# KiCad board reform2-motherboard.kicad_pcb (continued)
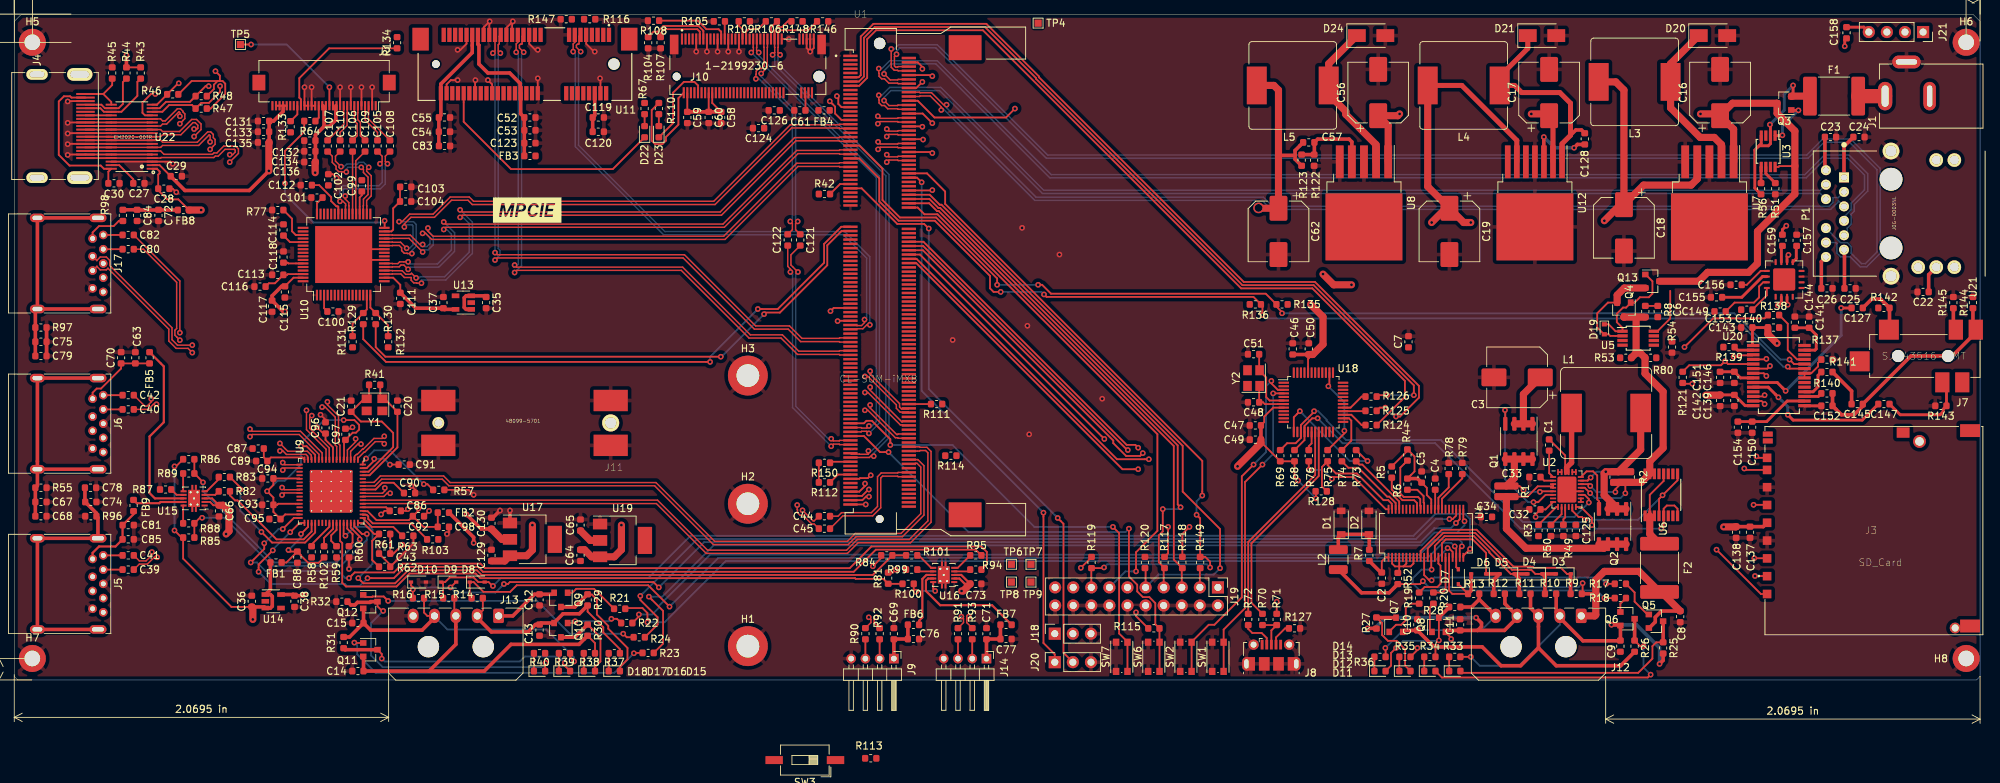
[diagram p0: board, top side]
## Routing (per net, layer and track width the routed paths; a pad name or vN(x,y) marks a point on that pad's centre or on a via; arc(x,y) is an arc through that point) (continued)
USB2_TX_P: length 124.2
  Top w0.2: C82.1 23.25,56.04 v1(23.25,48.78) ; v1(120.17,41.12) 120.17,40.7 124.59,36.28 124.7,36.28 124.78,36.35 U1.164
  Signal.Cu w0.2: v1(120.17,41.12) 119.75,41.12 112.39,48.47 23.55,48.47 v1(23.25,48.78)
USB3_1_DN: length 55.7
  Top w0.2: U9.2 47.78,30.96 47.78,31.41 48.04,31.68 48.15,31.68 48.9,32.43 49.01,32.43 50.5,33.92 51.65,33.92 v1(51.95,34.22)
  Signal.Cu w0.2: J6.2 11.6,36.4 11.6,36.43 12.07,36.9 12.93,36.9 13.61,36.22 13.81,36.22 20.41,42.83 46.09,42.83 50.72,38.19 50.72,35.04 51.54,34.22 v1(51.95,34.22)
USB3_1_DP: length 55.1
  Top w0.2: U9.1 48.22,30.96 48.22,31.12 49.09,31.98 49.19,31.98 50.69,33.47 51.65,33.47 v1(51.95,33.17)
  Signal.Cu w0.2: J6.3 11.6,35.6 11.6,35.57 12.07,35.1 12.93,35.1 13.61,35.78 13.99,35.78 20.59,42.38 45.91,42.38 50.28,38.01 50.28,34.85 v1(51.95,33.17)
USB3_1_EN: length 19.6
  Top w0.25: R83.1 31.75,27.04 v1(31.75,26.75) ; v1(34.7,20.8) 36.2,19.3 40.84,19.3 42.25,20.71 U9.36
  Bottom w0.25: v1(31.75,26.75) 31.75,23.75 v1(34.7,20.8)
USB3_1_OVERCURn: length 35.6
  Top w0.25: R86.1 25.29,28.71 ; U9.46 47.25,21.39 48.5,20.14 v1(48.5,19.75) ; R89.2 26.5,27.79 v1(26.5,27.75)
  Bottom w0.25: v1(26.5,27.75) 26.5,26.5 36.5,16.5 45.25,16.5 v1(48.5,19.75)
USB3_1_SSRXN: length 42.8
  Top w0.2: v1(43.23,38.33) 43.65,38.33 45.07,36.91 45.07,32.99 45.28,32.79 45.28,30.96 U9.7
  Signal.Cu w0.2: J6.5 13.27,32.78 28.49,32.78 32.59,36.88 36.09,36.88 38.39,39.17 42.81,39.17 43.23,38.75 v1(43.23,38.33)
USB3_1_SSRXP: length 43.5
  Top w0.2: v1(43.97,39.07) 43.97,38.65 45.52,37.09 45.52,33.18 45.72,32.98 45.72,30.96 U9.6
  Signal.Cu w0.2: J6.6 13.27,33.22 28.31,33.22 32.41,37.33 35.91,37.33 38.21,39.62 42.99,39.62 43.55,39.07 v1(43.97,39.07)
USB3_1_SSTXN: length 41.2
  Top w0.2: U9.4 46.78,30.96 46.78,32.29 47.93,33.45 v1(47.93,33.87) ; v1(19.97,38.73) 19.55,38.73 18.82,38 C40.1
  Signal.Cu w0.2: v1(47.93,33.87) 48.22,34.16 48.22,37.16 44.51,40.88 21.69,40.88 19.97,39.15 v1(19.97,38.73)
USB3_1_SSTXP: length 42.9
  Top w0.2: C42.1 18.34,38.45 18.63,38.45 19.23,39.05 v1(19.23,39.47) ; v1(48.67,33.13) 48.25,33.13 47.22,32.11 47.22,30.96 U9.3
  Signal.Cu w0.2: v1(19.23,39.47) 19.65,39.47 21.51,41.33 44.69,41.33 48.67,37.35 v1(48.67,33.13)
USB3_1_VBUS: length 26.5
  Top w0.3: FB5.1 21,44.04 21,36.2 19,34.2 19,26.25 19.75,25.5 U15.8
USB3_2_DN: length 51.5
  Top w0.2: U9.10 43.78,30.96 43.78,32.41 41.03,35.15 v1(41.03,37.87)
  Signal.Cu w0.2: v1(41.03,37.87) 41.03,37.45 39.81,36.22 36.91,36.22 27.08,26.39 27.08,22.39 18.41,13.72 13.61,13.72 12.93,14.4 12.07,14.4 11.6,13.93 11.6,13.9 J5.2
USB3_2_DP: length 51.2
  Top w0.2: v1(41.77,37.13) 41.48,36.84 41.48,35.34 44.22,32.59 44.22,30.96 U9.9
  Signal.Cu w0.2: J5.3 11.6,13.1 11.6,13.07 12.07,12.6 12.93,12.6 13.61,13.28 18.59,13.28 27.53,22.21 27.53,26.21 37.09,35.78 39.99,35.78 41.35,37.13 v1(41.77,37.13)
USB3_2_EN: length 16.3
  Top w0.25: U9.35 41.75,20.85 40.65,19.75 36.82,19.75 31.36,25.21 31,25.21 30.29,25.92 R82.2
USB3_2_OVERCURn: length 34.3
  Top w0.25: v1(49.5,20.5) 48.83,20.5 47.75,21.58 U9.47 ; v1(26.38,22.78) 26.07,22.78 R88.2 R85.1
  Bottom w0.25: v1(49.5,20.5) 49.5,19.68 45.87,16.05 36.2,16.05 29.47,22.78 v1(26.38,22.78)
USB3_2_SSRXN: length 41.6
  Top w0.2: U9.15 41.18,30.94 41.18,31.46 40.96,31.68 38.21,31.68 37.71,32.17 v1(37.3,32.17)
  Signal.Cu w0.2: v1(37.3,32.17) 37,32.47 35.69,32.47 28.72,25.51 28.72,21.51 17.49,10.28 13.27,10.28 J5.5
USB3_2_SSRXP: length 42.5
  Top w0.2: U9.14 41.7,30.99 41.7,31.57 41.15,32.13 38.4,32.13 v1(37.3,33.22)
  Signal.Cu w0.2: J5.6 13.27,10.72 17.31,10.72 28.28,21.69 28.28,25.69 35.51,32.92 37,32.92 v1(37.3,33.22)
USB3_2_SSTXN: length 40.5
  Top w0.2: v1(20.07,17.23) 19.65,17.23 18.69,16.28 17.56,16.28 C39.1 ; v1(33.1,34.17) 33.4,34.47 40.01,34.47 42.78,31.71 42.78,30.96 U9.12
  Signal.Cu w0.2: v1(33.1,34.17) 32.8,34.47 32.69,34.47 26.89,28.67 23.89,28.67 21.12,25.91 21.12,18.71 20.07,17.65 v1(20.07,17.23)
USB3_2_SSTXP: length 41.2
  Top w0.2: v1(19.33,17.97) 19.33,17.55 18.51,16.72 17.56,16.72 C41.1 ; v1(33.1,35.22) 33.4,34.92 40.19,34.92 43.22,31.89 43.22,30.96 U9.11
  Signal.Cu w0.2: v1(19.33,17.97) 19.75,17.97 20.67,18.89 20.67,26.09 23.71,29.12 26.71,29.12 32.51,34.92 32.8,34.92 v1(33.1,35.22)
USB3_2_VBUS: length 7.3
  Top w0.3: U15.9 20.54,25 20.36,24.83 17.21,24.83 FB9.1
USB3_3_DN: length 109.9
  Top w0.2: U9.18 40.04,29.78 38,29.78 v1(37.7,29.47) ; v1(121.03,8.8) 120.72,8.5 120.72,8.06 R92.1
  Signal.Cu w0.2: v1(121.03,8.8) 120.72,9.1 120.72,9.59 113.39,16.92 35.19,16.92 32.62,19.49 32.62,24.81 37.29,29.47 v1(37.7,29.47)
USB3_3_DP: length 110.9
  Top w0.2: R90.1 120.28,8.06 120.28,8.5 v1(119.97,8.8) ; v1(37.7,30.53) 38,30.22 40.04,30.22 U9.17
  Signal.Cu w0.2: v1(119.97,8.8) 120.28,9.1 120.28,9.41 113.21,16.47 35.01,16.47 32.17,19.31 32.17,25 v1(37.7,30.53)
USB3_3_EN: length 115.3
  Top w0.25: v1(34.31,15.2) 34.31,16.21 v1(36.3,18.2) ; U9.33 40.06,22.06 v1(38.75,20.75) ; R95.1 134.99,18.3 120.97,18.3 117.87,15.2 65.8,15.2 65.11,15.89 54.89,15.89 53.3,14.3 v1(49.6,14.3)
  Bottom w0.25: v1(49.6,14.3) 48.5,13.2 46.73,13.2 46.45,13.47 36.03,13.47 v1(34.31,15.2) ; v1(38.75,20.75) 36.3,18.3 v1(36.3,18.2)
USB3_3_OVERCURn: length 93.4
  Top w0.25: v1(48.3,14.3) 49.03,13.57 53.47,13.57 55.3,15.4 64.96,15.4 65.61,14.75 120.54,14.75 R84.1 R101.2 ; U9.44 46.25,20.5 v1(46.5,20.25)
  Bottom w0.25: v1(48.3,14.3) 50.3,16.3 50.3,21.1 49.9,21.5 47.75,21.5 v1(46.5,20.25)
USB3_3_VBUS: length 8.4
  Top w0.3: U16.8 128.07,14.75 127.5,14.18 127.5,8.79 127.04,8.33 FB6.1
USB3_4_DN: length 113.7
  Top w0.2: v1(134.03,8.9) 133.72,8.6 133.72,8.06 R93.1 ; U9.25 40.04,26.28 37.9,26.28 v1(37.6,25.97)
  Signal.Cu w0.2: v1(37.6,25.97) 37.19,25.97 35.22,24.01 35.22,22.59 38.09,19.72 39.29,19.72 40.89,18.12 114.49,18.12 122.09,10.53 132.4,10.53 v1(134.03,8.9)
USB3_4_DP: length 114.5
  Top w0.2: U9.24 40.04,26.72 37.9,26.72 v1(37.6,27.03) ; v1(132.97,8.9) 133.28,8.6 133.28,8.06 R91.1
  Signal.Cu w0.2: v1(37.6,27.03) 34.78,24.2 34.78,22.41 37.91,19.28 39.11,19.28 40.71,17.67 114.31,17.67 121.91,10.08 132.21,10.08 132.97,9.31 v1(132.97,8.9)
USB3_4_EN: length 119.7
  Top w0.25: U9.32 39.25,22.75 v1(37.7,21.2) ; v1(47,14.3) 47.8,15.1 53.3,15.1 54.54,16.34 65.46,16.34 66.1,15.7 117.3,15.7 120.35,18.75 135.78,18.75 136.55,17.98 136.55,16.26 R94.2 ; v1(35.1,19.2) 35.1,18.4 v1(33.2,16.5)
  Bottom w0.25: v1(37.7,21.2) 37.1,21.2 v1(35.1,19.2) ; v1(47,14.3) 46.5,14.3 45.5,15.3 35.28,15.3 34.08,16.5 v1(33.2,16.5)
USB3_4_OVERCURn: length 88.8
  Top w0.25: R100.2 122.71,13.5 R81.1 122.01,14.2 118.14,14.2 118.04,14.3 65.43,14.3 64.78,14.95 55.49,14.95 53.66,13.12 46.58,13.12 46.05,13.65 46.05,19.23 45.75,19.53 U9.43
USB3_4_VBUS: length 16.6
  Top w0.3: FB7.1 137.29,10.5 130,10.5 128,12.5 128,13.95 128.3,14.25 U16.9
USB_PWR: length 398.3
  Top w0.25: R61.2 C43.1 53.25,17.75 v1(54.5,19) ; U22.1 20.03,71.8 20.41,71.42 20.41,71.16 20.21,70.97 C28.2 20.21,68.77 21.48,67.5 23.04,67.5 FB8.1 ; R43.1 R44.1 ; U15.2 27.5,25 27.96,24.54 C66.1 27.79,25.5 U15.3
  Top w0.3: U16.3 132.96,14.75 C73.1 133.45,13.5 132.7,14.25 U16.2
  Top w0.4: U21.9 250.2,59.19 250.2,60.91 C157.1 ; U21.14 245.45,56.65 242.55,53.75 C155.1
  Top w0.5: v1(15.75,87.75) R44.1
  Top w1: C18.1 225.5,66.75 v1(223.25,64.5) ; C18.1 228.75,69.5 235.44,69.5 236.3,70.36 U7.4 ; C18.1 226,82.85 224.85,84 L3.2 ; v1(29.75,20.5) 30.15,20.9 30.15,23.71 29.33,24.54 C66.1 ; v1(26.25,66) FB8.1 ; v1(183.75,57) 185.25,55.5 v1(187.75,55.5) ; v1(133,12.5) 133.21,12.5 C73.1
  Power.Cu w0.5: v1(26.25,66) 19.5,66 15.75,69.75 v1(15.75,87.75)
  Power.Cu w1: 138.94,19.56 143.97,24.6 145.43,24.6 177.83,57 v1(183.75,57) ; 138.94,19.56 133,13.63 v1(133,12.5) ; 138.94,19.56 138.37,19 94,19 87.5,25.5 68,25.5 61.5,19 v1(54.5,19) 53.93,19 52.68,17.75 44.5,17.75 40.85,14.1 31.15,14.1 29.75,15.5 v1(29.75,20.5) 29.75,63.75 27.5,66 v1(26.25,66) ; v1(187.75,55.5) 214.25,55.5 v1(223.25,64.5)
Net-(C1-Pad1): length 3.9
  Top w0.25: U2.1 215.5,29.05 C1.1
Net-(C1-Pad2): length 14.6
  Top w0.25: U2.25 U2.26 217.75,31.54 C1.2
  Top w0.75: 217.95,29.2 217.95,29.83 218.65,30.53 L1.1
Net-(C2-Pad1): length 5.2
  Top w0.25: C2.1 192,16.65 192.57,17.22 U4.1
  Top w0.5: C2.1 191.88,15.09 R7.2
Net-(C4-Pad1): length 2.8
  Top w0.25: U4.31 199.5,24.03 C4.1
Net-(C6-Pad1): length 1.8
  Top w0.25: R8.2 C6.1
Net-(C20-Pad1): length 16.4
  Top w0.25: U9.61 49.89,28.75 53.8,32.66 C20.1 51.97,39.49 Y1.1 51.39,39.79 R41.1
Net-(C21-Pad1): length 19.9
  Top w0.25: U9.62 49.75,29.25 53.2,32.7 53.2,34.7 51.6,36.3 48.66,36.3 C21.1 49.13,39.49 Y1.2 49.81,39.82 R41.2
Net-(C23-Pad1): length 4.7
  Top w0.5: C23.1 254.21,71.74 P1.7
Net-(C24-Pad1): length 6.2
  Top w0.5: C24.1 256.9,74.94 P1.1
Net-(C25-Pad1): length 5.5
  Top w0.5: P1.6 256.96,60.36 C25.1
Net-(C26-Pad1): length 4.7
  Top w0.5: C26.1 253.71,58.76 P1.12
Net-(C27-Pad2): length 4.5
  Top w0.25: C27.2 16.71,70.33 14.74,72.3 U22.37
Net-(C30-Pad1): length 22
  Top w0.25: C30.1 13.21,71.39 U22.38 12.59,71.8 12.14,72.25 7.75,72.25 6.25,73.75 6.25,81.25 6.98,81.98 7.85,81.98 8.02,81.8 J4.18
Net-(C32-Pad1): length 13.7
  Top w0.25: v1(213.6,22.9) 213.6,23.26 C32.1 215,23.95 U2.8 ; v1(221.07,24.92) 221.07,25.4 220.48,26 U2.17
  Bottom w0.25: v1(213.6,22.9) 219.05,22.9 v1(221.07,24.92)
Net-(C33-Pad1): length 2
  Top w0.25: U2.2 214.79,28 C33.1
Net-(C34-Pad1): length 32.2
  Top w0.25: U2.27 U2.28 ; U2.3 U2.4 215.85,27.2 213.9,27.2 212.45,25.75 R1.2
  Top w1: R1.2 209.5,21.25 212.25,18.5 223.19,18.5 Q2.6 ; Q2.5 Q2.6 ; Q2.6 Q2.8
Net-(C39-Pad2): length 2.7
  Top w0.25: C39.2 J5.8
Net-(C40-Pad2): length 2.7
  Top w0.25: C40.2 J6.8
Net-(C41-Pad2): length 2.7
  Top w0.25: C41.2 J5.9
Net-(C42-Pad2): length 2.7
  Top w0.25: C42.2 J6.9
Net-(C48-Pad1): length 5.9
  Top w0.25: Y2.1 174.79,41.24 C48.1 175.32,39 175.57,38.75 U18.7
Net-(C51-Pad1): length 9.1
  Top w0.25: U18.6 176.25,39.25 175.78,39.72 175.78,42.47 174.85,43.4 Y2.2 174.79,43.56 C51.1
Net-(C57-Pad2): length 11.9
  Top w0.5: R123.2 R122.1 182.54,73.83 C57.2 183,75.96 187.41,75.96 187.8,75.58 U8.4
Net-(C63-Pad1): length 11
  Top w0.25: J6.1 11,40.35 11.58,40.93 12.18,40.93 15,43.74 C70.1 C63.1 FB5.2
Net-(C67-Pad1): length 36.5
  Top w0.5: J6.10 3.25,27.29 R55.1 C68.1 ; J6.10 J6.10 J6.10 ; J6.10 J6.10
Net-(C69-Pad1): length 6.7
  Top w0.5: J9.1 C69.1 123.54,5.75 C76.1 FB6.2
Net-(C71-Pad1): length 6.7
  Top w0.5: J14.1 C71.1 136.54,5.75 C77.1 FB7.2
Net-(C72-Pad1): length 7.7
  Top w0.5: FB8.2 20.29,66 C72.1 ; R98.1 C84.1 17.29,66 20.21,66
Net-(C74-Pad1): length 37.7
  Top w0.5: J5.10 J5.10 J5.10 J5.10 11.75,22.79 R96.1 11.54,23.42 C74.1 9.92,25.04 C78.1
Net-(C75-Pad1): length 36.5
  Top w0.5: J17.10 J17.10 ; J17.10 J17.10 J17.10 ; J17.10 2.96,51.81 R97.1 C75.1 C79.1
Net-(C80-Pad2): length 2.7
  Top w0.25: C80.2 J17.8
Net-(C81-Pad1): length 10.4
  Top w0.3: J5.1 11,17.85 11.9,18.75 14.21,18.75 C85.1 C81.1 16.75,23.29 FB9.2
Net-(C82-Pad2): length 2.7
  Top w0.25: C82.2 J17.9
Net-(C86-Pad1): length 32.9
  Top w0.25: U9.52 52.21,24.25 C86.1 52,23.75 v1(51.5,23.25) ; C91.1 v1(52.75,30.25) ; U9.63 49.47,29.75 50.54,30.81 v1(50.54,31.06) ; U9.34 41.25,21.5 v1(40.25,20.5) ; FB1.2 38.21,16.5 C88.1 ; C88.1 40.21,17.58 40.21,17.51 41.27,16.45 42.74,16.45 R102.1 ; C88.1 38.71,18.04 v1(38.5,18.25) ; C87.1 35.04,31.25 C89.1 36.04,31.25 40.44,31.25 U9.16
  Bottom w0.25: v1(50.54,31.06) 51.94,31.06 v1(52.75,30.25) ; v1(38.5,18.25) 40.25,20 v1(40.25,20.5)
Net-(C90-Pad1): length 73.1
  Top w0.25: FB2.2 C98.1 57.46,21.5 C92.1 ; U9.57 50.73,26.75 51.68,27.7 53.27,27.7 C90.1 ; U9.31 38.04,23.25 C95.1 36.39,23.6 C93.1 ; C93.1 36.92,24.6 37.08,24.75 U9.28 ; C93.1 36.39,25.61 v1(35.5,26.5) 36.39,27.39 C94.1 40.01,28.3 U9.21 ; v1(56.75,24.08) 56.75,23.79 C92.1 ; U9.8 44.75,32.67 43.7,33.72 C96.1 43.39,34.61 v1(42.5,35.5) ; C97.1 47.52,34.73 47.98,34.73 48.42,35.17 48.42,35.83 47.75,36.5 v1(46.25,36.5) ; C92.1 55.41,22.45 50.86,22.45 49.61,23.7 48.99,23.7 U9.51 ; 46.3,33.61 46.3,30.99 U9.5 ; U9.13 42.25,31.63 41.05,32.83 v1(40.25,32.83)
  Bottom w0.25: v1(35.5,26.5) 36.97,27.97 37.97,27.97 40.25,30.25 v1(40.25,32.83) 40.25,33.25 v1(42.5,35.5) 43.5,36.5 v1(46.25,36.5)
Net-(C123-Pad1): length 39
  Top w0.5: U11.41 64.3,88.11 59.9,83.71 U11.52 59.9,79.29 C55.1 C54.1 59.61,75.01 C83.1 ; U11.39 65.1,89.29 65.24,89.15 65.24,86.51 66.5,85.25 69.56,85.25 71.05,83.76 71.05,82.45 U11.24 71.1,79.51 C52.1 C53.1 C123.1 FB3.2
Net-(C124-Pad1): length 31.7
  Top w0.25: J10.70 111.09,82.39 C61.1 ; R110.1 89.5,80.04 89.5,75.73 89.98,75.25 91,75.25 91.5,75.75 91.5,76.25 93.25,78 93.25,81.72 J10.2 ; J10.18 98,81.04 C58.1 ; J10.16 C60.1 ; C59.1 J10.4
  Top w0.5: C58.1 C60.1 C59.1
Net-(C127-Pad1): length 7.9
  Top w0.25: 263.29,49.29 J7.2
  Top w0.5: 263.29,49.29 R142.1 262.04,53.5 260.79,53.5 C127.1
Net-(C127-Pad2): length 21.4
  Top w0.4: U20.9 247.52,41.78 v1(248.7,40.6) ; v1(256.5,52.25) C127.2
  Bottom w0.4: v1(248.7,40.6) 256.5,48.4 v1(256.5,52.25)
Net-(C128-Pad1): length 30.8
  Top w0.5: 218.5,76.5 219.25,77.25 220.04,77.25 C128.1
  Top w0.7: D21.1 212.5,88.7 208.55,84.75 L4.1 210.65,83.5 211.65,82.5 217,82.5 218.5,81 218.5,76.5 217.31,75.31 U12.1
Net-(C128-Pad2): length 10
  Top w0.5: C128.2 219.46,75.21 v1(219,74.75) ; v1(214.75,76.25) 214.75,72.8 U12.3
  Bottom w0.5: v1(214.75,76.25) 216.25,74.75 v1(219,74.75)
Net-(C141-Pad2): length 7.1
  Top w0.4: C144.2 C141.2 253,48.46 253,46.5 252.82,46.33 U20.27
Net-(C145-Pad1): length 30.9
  Top w0.5: R140.2 C152.1 256.54,37.25 258.32,37.25 259.54,38.47 C145.1 266.29,45.5 272.1,45.5 275.4,48.8 J7.1 275,49.6 R144.1
Net-(C145-Pad2): length 5.6
  Top w0.5: C145.2 257.96,40.58 R141.2
Net-(C147-Pad1): length 12.9
  Top w0.4: J7.3 271.29,41.21 R143.1 270.83,38.04 270.83,37.68 270.39,37.25 264.79,37.25 C147.1
Net-(C147-Pad2): length 21.1
  Top w0.4: C147.2 259.46,36.5 249.75,36.5 v1(249,37.25) ; U20.10 246.26,41.12 v1(247.69,39.69)
  Bottom w0.4: v1(247.69,39.69) 249,38.39 v1(249,37.25)
Net-(C149-Pad1): length 8
  Top w0.25: 240.54,52 241.54,53 244.25,53 244.98,53.72 244.98,55.28 245.55,55.85 U21.15
Net-(C149-Pad2): length 1.8
  Top w0.25: v1(245.75,38.75) 245.32,39.17 U20.13
Net-(C150-Pad1): length 10.5
  Top w0.4: C154.1 C150.1 246.04,36.29 248.93,39.17 U20.16
Net-(C153-Pad1): length 3.9
  Top w0.25: U21.16 246.06,54.03 C153.1
Net-(C153-Pad2): length 1.7
  Top w0.25: U20.12 245.57,39.83 v1(245.75,40)
Net-(C156-Pad1): length 4.3
  Top w0.25: U21.13 245.2,57.45 243.25,55.5 C156.1
Net-(C158-Pad1): length 3.4
  Top w0.4: C158.1 259.69,91.69 J21.4
Net-(C158-Pad2): length 43.3
  Top w0.4: C158.2 257,89.86 v1(257,89) ; U21.2 248.1,53.1 v1(247.6,52.6)
  Signal.Cu w0.4: v1(257,89) 257,86.75 254.5,84.25 254.5,79.6 247.2,72.3 247.2,53 v1(247.6,52.6)
Net-(C159-Pad1): length 36.7
  Top w0.4: v1(248.8,63.8) 248.25,63.25 C159.1
  Signal.Cu w0.4: v1(248.8,63.8) 248.8,72.2 255.7,79.1 255.7,83.05 261.95,89.3 263.76,89.3 J21.2
Net-(C159-Pad2): length 2.3
  Top w0.4: U21.11 248.1,60.81 C159.2
Net-(D1-Pad1): length 8.4
  Top w0.5: L2.2 185.9,20.05 D1.1 D2.1 190.25,20.4 R7.1
Net-(D3-Pad1): length 28.6
  Top w0.25: U4.10 197.45,18.11 200.44,21.1 205.31,21.1 210.48,15.93 212.87,15.93 212.9,15.9 213.2,15.9 213.35,15.75 217.15,15.75 218,14.9 D3.1
  Top w0.5: R9.2 218.51,14.86 D3.1
Net-(D3-Pad2): length 25.5
  Top w0.25: U4.12 198.45,18.47 200.63,20.65 205.12,20.65 210.3,15.48 212.69,15.48 212.71,15.45 213.01,15.45 213.56,14.9 D4.1
  Top w0.5: D3.2 D4.1 214.91,14.54 R10.2
Net-(D4-Pad2): length 20.5
  Top w0.25: D5.1 210.1,14.9 207.1,17.9 207.1,18.04 204.94,20.2 200.81,20.2 199.45,18.84 U4.14
  Top w0.5: D4.2 D5.1 211.31,14.24 R11.2
Net-(D5-Pad2): length 17.2
  Top w0.25: D6.1 206.65,17.85 204.75,19.75 201,19.75 200.45,19.2 U4.16
  Top w0.5: D6.1 D5.2 207.71,14.06 R12.2
Net-(D6-Pad2): length 12.4
  Top w0.25: U4.18 201.45,12.55 201.9,12.1 R13.2 202.76,13.45 D7.1
  Top w0.5: D6.2 204.55,12.54 R13.2
Net-(D7-Pad2): length 150.2
  Top w0.25: v1(202.24,18.76) 202.45,18.56 U4.20 202.45,15.85 D7.2 ; R14.2 63.95,11.76 D8.1 64.5,13.75 65.88,12.37 69.62,12.37 70.55,13.3 89,13.3 v1(92,10.3)
  Bottom w0.25: v1(202.24,18.76) 201.76,19.25 200.55,19.25 198.45,17.15 98.85,17.15 v1(92,10.3)
Net-(D8-Pad2): length 157.8
  Top w0.25: U4.22 203.45,17.45 v1(204.4,18.4) ; R15.2 60.21,13.49 D9.1 60.5,13.75 61.15,14.4 64.5,14.4 65.15,13.75 D8.2 66.6,13.75 67.15,13.2 v1(67.2,13.2)
  Bottom w0.25: v1(204.4,18.4) 204.4,22.58 203.66,23.33 199.53,23.33 196.45,20.25 94.95,20.25 89.05,14.35 68.35,14.35 v1(67.2,13.2)
Net-(D10-Pad1): length 157.2
  Top w0.25: U4.24 202.95,22.58 v1(202.42,22.05) ; R16.2 v1(55.96,12.71) 55.96,13.01 55.7,13.28 D10.1 ; D9.2 62,13.75 v1(61.25,13) ; v1(90.5,13) 89.75,13.75 69.59,13.75 69.31,13.47 v1(68.75,13.47)
  Bottom w0.25: v1(55.96,12.71) 56.25,13 v1(61.25,13) 61.98,12.27 67.55,12.27 v1(68.75,13.47) ; v1(90.5,13) 96.85,19.35 197.41,19.35 199.36,21.3 201.67,21.3 v1(202.42,22.05)
Net-(D11-Pad1): length 2
  Top w0.25: D11.1 R33.2
Net-(D11-Pad2): length 34.3
  Top w0.25: R25.2 230.54,5.29 230,4.75 230,3 228,1 203.29,1 D11.2
  Top w0.5: Q5.3 R25.2
Net-(D12-Pad1): length 2
  Top w0.25: R34.2 D12.1
Net-(D12-Pad2): length 39.8
  Top w0.25: R26.2 228.29,4.75 v1(228.75,4.75) ; D12.2 200.44,0.35 229.35,0.35 v1(229.75,0.75)
  Top w0.5: Q6.3 R26.2
  Bottom w0.25: v1(228.75,4.75) 228.75,1.75 v1(229.75,0.75)
Net-(D13-Pad1): length 2
  Top w0.25: R35.2 D13.1
Net-(D13-Pad2): length 13
  Top w0.25: R27.2 192.05,7.99 192.05,6.31 192.86,5.5 194.07,5.5 195.27,4.3 195.27,2.01 D13.2
  Top w0.5: R27.2 191.29,8.75 Q7.3
Net-(D14-Pad1): length 2
  Top w0.25: R36.2 D14.1
Net-(D14-Pad2): length 15.6
  Top w0.25: Q8.3 200.02,8.73 v1(200.02,5.56) ; v1(194,4.5) 193.3,3.8 193.3,2.01 D14.2
  Top w0.5: R28.2 201.46,10.21 Q8.3
  Bottom w0.25: v1(200.02,5.56) 199.96,5.5 195,5.5 v1(194,4.5)
Net-(D15-Pad1): length 2.5
  Top w0.25: R37.2 D15.1
Net-(D15-Pad2): length 18.4
  Top w0.25: D15.2 85.04,1.82 86.1,2.89 86.1,4.5 83.4,7.2 83.4,7.6 81.8,9.2 81.8,11.3 81.1,12 80.54,12 R29.2
  Top w0.5: Q9.3 78.71,10.25 R29.2
Net-(D16-Pad1): length 2.5
  Top w0.25: R38.2 D16.1
Net-(D16-Pad2): length 12.1
  Top w0.25: R30.2 82.3,5.99 82.3,2.59 81.54,1.82 D16.2
  Top w0.5: Q10.3 78.71,6 R30.2
Net-(D17-Pad1): length 2.5
  Top w0.25: D17.1 R39.2
Net-(D17-Pad2): length 34.3
  Top w0.25: v1(51.6,3) 51.6,3.65 Q11.3 ; v1(77.3,2.4) 77.3,1.99 D17.2
  Top w0.5: Q11.3 46.46,4.25 R31.2
  Bottom w0.25: v1(51.6,3) 52,2.6 71,2.6 71.7,3.3 76.4,3.3 v1(77.3,2.4)
Net-(D18-Pad1): length 2.5
  Top w0.25: D18.1 R40.2
Net-(D18-Pad2): length 39.9
  Top w0.25: v1(74.6,2.4) 74.54,2.34 D18.2 ; v1(51.8,9.7) 51.65,9.7 51,10.35 Q12.3
  Top w0.5: Q12.3 50.05,11 49.95,10.9 48.19,10.9 47.83,10.54 47.25,10.54 R32.2
  Bottom w0.25: v1(51.8,9.7) 50.1,8 50.1,3.43 51.73,1.8 74,1.8 v1(74.6,2.4)
Net-(D19-Pad1): length 15.1
  Top w0.25: Q13.1 229.05,56.95 230,56 230,54.25 229.5,53.75 228.25,53.75 227.5,53 Q4.1 ; D19.1 223.85,49.95 224.82,48.97 U5.1 225.8,49.45 225,50.25 225,51.44 225.86,52.3 226.3,52.3 226.95,52.95 Q4.1 ; Q4.1 226.95,53.05
Net-(D19-Pad2): length 14.9
  Top w0.25: 225.05,53.05 Q4.2 223.75,53 222.25,51.5 222.25,49.5 223.2,48.55 D19.2 223.85,48.55 224.07,48.33 U5.2
  Top w1: Q4.2 225.05,54.05 226.05,55.05 Q13.2
Net-(D20-Pad1): length 23.5
  Top w1: U7.2 239.7,75.19 238.69,76.2 236.7,76.2 232.55,80.35 L3.1 232.55,86.55 D20.1
Net-(D22-Pad1): length 34
  Top w0.25: U11.44 63.1,78.4 69.75,71.75 84.04,71.75 D22.1
Net-(D22-Pad2): length 1.7
  Top w0.25: R67.2 D22.2
Net-(D23-Pad1): length 12.5
  Top w0.25: J10.10 96,83.5 95.5,84 94.01,84 92.5,82.49 92.5,78.21 D23.1
Net-(D23-Pad2): length 1.7
  Top w0.25: R110.2 D23.2
Net-(D24-Pad1): length 22.1
  Top w1: U8.2 191.2,75.19 186.95,79.44 186.95,79.85 184.55,82.25 L5.1 184.55,86.55 D24.1
Net-(F2-Pad2): length 12.5
  Top w0.25: U6.12 231.57,27.95 229.62,26 U6.2 ; U6.3 U6.1
  Top w1: F2.2 229.62,20.51 U6.2
Net-(J4-Pad13): length 3.6
  Top w0.25: U22.23 J4.13
Net-(J4-Pad15): length 11
  Top w0.25: J4.15 12.09,80.3 12.59,79.8 U22.22 15.05,79.8 17.29,82.04 17.29,84 R43.2
Net-(J4-Pad16): length 9.5
  Top w0.25: J4.16 12.23,80.8 12.73,80.3 U22.21 14.65,80.3 15.25,80.9 15.25,83.96 R44.2
Net-(J4-Pad19): length 7.1
  Top w0.25: 12.5,82.3 13.62,81.18 U22.20 ; 12.5,82.3 J4.19 ; 12.5,82.3 13.75,83.55 R45.1
Net-(J7-Pad4): length 3.2
  Top w0.25: 272.25,49.55 J7.4
  Top w0.5: R145.1 272.25,49.55
Net-(J8-Pad2): length 4.6
  Top w0.25: R72.1 173.25,7.17 173.82,6.6 175.14,6.6 175.85,5.89 J8.2
Net-(J8-Pad3): length 5.1
  Top w0.25: R70.1 R71.2 176.5,6.96 J8.3
Net-(J8-Pad4): length 3.4
  Top w0.25: R127.2 178.43,7.25 177.15,5.97 J8.4
Net-(J9-Pad2): length 2.7
  Top w0.25: J9.2 R92.2
Net-(J9-Pad3): length 2.7
  Top w0.25: R90.2 J9.3
Net-(J10-Pad11): length 7.4
  Top w0.25: R107.1 90.75,90.83 91.32,91.4 95.9,91.4 96.25,91.05 J10.11
Net-(J10-Pad13): length 9.8
  Top w0.25: R104.1 89.76,91.05 90.34,91.05 91.14,91.85 96.09,91.85 96.75,91.19 J10.13
Net-(J10-Pad23): length 10.4
  Top w0.25: R108.1 95.97,92.6 97.17,91.4 98.89,91.4 99.23,91.06 99.24,91.06 99.25,91.05 J10.23
Net-(J10-Pad25): length 2.5
  Top w0.25: R105.1 99.75,92.46 J10.25
Net-(J10-Pad35): length 2.7
  Top w0.25: J10.35 102.25,91.39 101.71,91.92 R109.1
Net-(J10-Pad37): length 4.4
  Top w0.25: R106.1 104.41,91.4 103.1,91.4 102.73,91.03 102.73,90.05 J10.37
Net-(J14-Pad2): length 2.7
  Top w0.25: R93.2 J14.2
Net-(J14-Pad3): length 2.7
  Top w0.25: R91.2 J14.3
Net-(J17-Pad1): length 5.8
  Top w0.25: J17.1 11,62.85 11.9,63.75 13.96,63.75 14.67,64.46 R98.2
Net-(J19-Pad3): length 2.7
  Top w0.25: R149.1 166.46,15.67 J19.3
Net-(J21-Pad1): length 43
  Top w0.4: U21.10 248.9,59.5 v1(249.1,59.7)
  Signal.Cu w0.4: J21.1 268,89.75 266.85,88.6 262.1,88.6 256.3,82.8 256.3,78.8 251.8,74.3 251.8,62.4 v1(249.1,59.7)
Net-(J21-Pad3): length 46.4
  Top w0.4: U21.3 248.9,52.8 v1(249,52.7)
  Signal.Cu w0.4: J21.3 262.07,90.15 261.75,90.15 255.1,83.5 255.1,79.35 247.8,72.05 247.8,53.9 v1(249,52.7)
Net-(L1-Pad2): length 24
  Top w0.25: U2.21 220.9,28 v1(221.32,28.43)
  Top w1: 225.15,24.03 223.23,25.95 223.23,29.02 v1(223.45,29.25) 225.25,29.25 228.35,32.35 L1.2 ; 225.15,24.03 Q2.3 ; 225.15,24.03 Q2.1
  Bottom w0.25: v1(223.45,29.25) 222.15,29.25 v1(221.32,28.43)
Net-(Q1-Pad4): length 20.2
  Top w0.25: U2.6 215,26 213.97,24.97 v1(213.3,24.97) ; v1(209.3,37.9) 209.34,37.86 Q1.4
  Bottom w0.25: v1(209.3,37.9) 209.3,28.2 212.53,24.97 v1(213.3,24.97)
Net-(Q1-Pad5): length 15
  Top w0.25: R1.1 211.32,27.25 v1(211.9,26.67) ; v1(214.2,26.43) 214.27,26.5 U2.5
  Top w1: Q1.5 Q1.8 ; Q1.6 210.62,28.36 R1.1
  Bottom w0.25: v1(214.2,26.43) 212.15,26.43 v1(211.9,26.67)
Net-(Q2-Pad4): length 7.7
  Top w0.25: U2.22 220.75,29.3 221.67,29.3 222.25,28.72 222.25,25.34 222.5,25.1 Q2.4
Net-(Q3-Pad1): length 6.5
  Top w0.4: v1(250.5,80) 249.55,80 Q3.1 ; v1(248.25,76.5) 248.2,76.45 U3.1
  Bottom w0.4: v1(250.5,80) 248.25,77.75 v1(248.25,76.5)
Net-(Q5-Pad1): length 5.7
  Top w0.25: R17.1 227.5,12.29 227.5,11 229.3,9.2 Q5.1
Net-(Q6-Pad1): length 2.3
  Top w0.25: R18.1 225.5,10.71 Q6.1
Net-(Q7-Pad1): length 6.9
  Top w0.25: Q7.1 193.05,6.8 194,7.75 194.73,7.75 195.37,8.38 195.37,10.12 195.96,10.71 R19.1
Net-(Q8-Pad1): length 4.3
  Top w0.25: R20.1 198.75,10.21 198.75,7.05 Q8.1
Net-(Q9-Pad1): length 7.9
  Top w0.25: R21.1 81.41,12.8 78.9,12.8 78.35,12.25 Q9.1
Net-(Q10-Pad1): length 8
  Top w0.25: v1(78.75,8.25) 78.5,8 Q10.1 ; v1(83.84,8.59) 84.62,8.59 R22.1
  Bottom w0.25: v1(83.84,8.59) 83.5,8.25 v1(78.75,8.25)
Net-(Q11-Pad1): length 45.4
  Top w0.25: R23.1 87.05,3.8 v1(87,3.75) ; Q11.1 47.8,5.2 v1(47.75,5.25)
  Bottom w0.25: v1(87,3.75) 84.25,1 50.75,1 48.15,3.6 48.15,4.85 v1(47.75,5.25)
Net-(Q12-Pad1): length 40.5
  Top w0.25: R24.1 86,6 v1(85.5,6.5) ; v1(52.5,11.1) 51.87,11.73 50.29,11.73 50.22,11.66 49.29,11.66 Q12.1
  Bottom w0.25: v1(52.5,11.1) 73.4,11.1 78,6.5 v1(85.5,6.5)
Net-(R3-Pad1): length 3.1
  Top w0.25: R50.1 217.25,23.29 U2.10
Net-(R3-Pad2): length 3.8
  Top w0.25: R3.2 216.51,24.3 U2.9
Net-(R4-Pad2): length 9.6
  Top w0.25: U4.35 197.45,24.45 197.4,24.5 197.4,25.4 197.1,25.7 195.08,25.7 194.6,26.18 194.6,29.81 R4.2
Net-(R5-Pad2): length 6.9
  Top w0.25: R5.2 193.4,26.75 194.9,25.25 196.55,25.25 196.95,24.85 U4.36
Net-(R6-Pad2): length 4.5
  Top w0.25: U4.34 197.95,24.85 197.87,24.93 197.87,25.83 196.99,26.71 R6.2
Net-(R17-Pad2): length 30.1
  Top w0.25: U4.11 197.95,14.73 198.68,14 v1(199,14) ; R17.2 v1(223.5,13.5)
  Bottom w0.25: v1(223.5,13.5) 222.6,14.4 199.4,14.4 v1(199,14)
Net-(R18-Pad2): length 34.8
  Top w0.25: v1(199,15.5) 198.95,15.55 U4.13 ; R18.2 v1(223.25,11.5)
  Bottom w0.25: v1(223.25,11.5) 222.18,12.57 197.35,12.57 196.35,13.58 196.35,14.27 197.58,15.5 v1(199,15.5)
Net-(R19-Pad2): length 7.4
  Top w0.25: R19.2 198.01,13.05 199.8,13.05 200.25,13.5 200.25,16.05 199.95,16.35 U4.15
Net-(R20-Pad2): length 6.4
  Top w0.25: R20.2 200.5,12.29 200.95,12.74 U4.17
Net-(R21-Pad2): length 123.1
  Top w0.25: U4.19 201.95,17.98 201.41,18.52 v1(201.24,18.52) ; v1(88.9,8.1) 88.9,9.4 88.2,10.1 85.89,10.1 R21.2
  Bottom w0.25: v1(88.9,8.1) 91.3,8.1 99.9,16.7 199.42,16.7 v1(201.24,18.52)
Net-(R22-Pad2): length 124
  Top w0.25: U4.21 202.95,18.48 v1(203.24,18.77) ; R22.2 87.7,8.91 v1(87.7,9.2)
  Bottom w0.25: v1(203.24,18.77) 203.24,19.33 202.88,19.7 199.4,19.7 197.3,17.6 97.7,17.6 90.53,10.43 90.53,10.15 89.57,9.2 v1(87.7,9.2)
Net-(R23-Pad2): length 130.3
  Top w0.25: v1(203.62,22.29) 203.45,22.46 U4.23 ; v1(89.1,11.7) 91.1,9.7 91.1,5.11 R23.2
  Bottom w0.25: v1(89.1,11.7) 90.99,11.7 98.19,18.9 197.6,18.9 199.4,20.7 202.59,20.7 203.62,21.73 v1(203.62,22.29)
Net-(R24-Pad2): length 127.7
  Top w0.25: v1(201.5,22.6) 201.95,22.6 202.45,23.1 U4.25 ; v1(87.9,11.8) 87.9,11.23 90.33,8.81 90.33,7.79 R24.2
  Bottom w0.25: v1(87.9,11.8) 95.9,19.8 196.8,19.8 199.6,22.6 v1(201.5,22.6)
Net-(R49-Pad1): length 2.6
  Top w0.25: R49.1 217.5,22.58 217.75,22.83 U2.11
Net-(R51-Pad2): length 2.8
  Top w0.4: R51.2 245.93,71.11 U3.6
Net-(R52-Pad1): length 8.8
  Top w0.25: R52.1 194.45,15.24 194.45,15.95 ; U4.6 195.45,16.35 195.05,15.95 ; 195.05,15.95 196.05,15.95 196.45,16.35 U4.8 ; 195.05,15.95 194.45,15.95 ; 194.45,15.95 193.85,15.95 193.45,16.35 U4.2 ; 194.45,15.95 U4.4
Net-(R56-Pad1): length 2.3
  Top w0.4: U3.5 245.25,72.03 R56.1
Net-(R57-Pad1): length 13.2
  Top w0.25: R57.1 58.01,27.5 v1(57.5,27.5) ; U9.64 48.94,30.64 v1(49.4,31.1)
  Bottom w0.25: v1(49.4,31.1) 50.55,32.25 52.75,32.25 v1(57.5,27.5)
Net-(R58-Pad1): length 4.3
  Top w0.25: R58.1 41.75,19.03 44.25,21.53 U9.40
Net-(R59-Pad1): length 3.9
  Top w0.25: U9.42 45.25,21.07 44.5,20.32 44.5,19.54 R59.1
Net-(R60-Pad1): length 3.8
  Top w0.25: U9.45 46.75,21.25 47.5,20.5 47.5,19.29 R60.1
Net-(R61-Pad1): length 9
  Top w0.25: R62.1 50.25,16.86 50.25,19.54 R61.1 50.55,20.5 48.99,22.06 U9.48
Net-(R63-Pad1): length 6.6
  Top w0.25: R63.1 53.21,21.5 50.19,21.5 U9.49
Net-(R64-Pad2): length 28.2
  Top w0.25: R64.2 40.71,76.99 38,74.28 v1(38,69.75) ; v1(52,64.5) 52,63.55 U10.32
  Bottom w0.25: v1(52,64.5) 51.75,64.25 42,64.25 38,68.25 v1(38,69.75)
Net-(R70-Pad2): length 30.1
  Top w0.25: R70.2 173.7,10.84 173.7,19.2 183.15,28.65 U18.20
Net-(R72-Pad2): length 29.4
  Top w0.25: U18.19 182.65,28.79 173.25,19.39 R72.2
Net-(R77-Pad2): length 5.3
  Top w0.25: R77.2 39,64.79 39,63.02 39.52,62.5 U10.51
Net-(R78-Pad1): length 5.5
  Top w0.25: R78.1 201.4,27.04 199.95,25.59 U4.30
Net-(R79-Pad1): length 6.1
  Top w0.25: R79.1 203.3,28.3 200.45,25.45 U4.29
Net-(R82-Pad1): length 2.2
  Top w0.25: U15.4 28.21,26 R82.1
Net-(R83-Pad2): length 3
  Top w0.25: R83.2 28.71,28.2 27.01,26.5 U15.5
Net-(R87-Pad1): length 2
  Top w0.25: U15.7 22.79,26 R87.1
Net-(R88-Pad1): length 2.5
  Top w0.25: R88.1 23.71,24.44 U15.10
Net-(R89-Pad1): length 2.5
  Top w0.25: R89.1 23.71,26.56 U15.6
Net-(R94-Pad1): length 2.3
  Top w0.25: U16.4 133.96,15.25 R94.1
Net-(R95-Pad2): length 3
  Top w0.25: U16.5 132.46,15.75 R95.2
Net-(R99-Pad1): length 2.3
  Top w0.25: U16.7 127.04,15.25 R99.1
Net-(R100-Pad1): length 5.3
  Top w0.25: v1(126.6,12.4) 126.29,12.71 R100.1 ; v1(129.3,12.5) 129.03,12.78 U16.10
  Bottom w0.25: v1(126.6,12.4) 126.7,12.5 v1(129.3,12.5)
Net-(R101-Pad1): length 3
  Top w0.25: R101.1 126.99,17.5 128.74,15.75 U16.6
Net-(R102-Pad2): length 3.8
  Top w0.25: R102.2 43.5,19.96 44.75,21.21 U9.41
Net-(R103-Pad1): length 10.7
  Top w0.25: U9.50 48.99,23.2 49.47,23.2 49.7,22.97 49.7,22.62 50.32,22 55.71,22 R103.1
Net-(R111-Pad2): length 3.1
  Top w0.25: R111.2 U1.156
Net-(R112-Pad1): length 3.3
  Top w0.25: R112.1 115.64,28.85 U1.189
Net-(R129-Pad1): length 6.6
  Top w0.25: R131.1 47.5,50.04 R129.1 49.5,52.04 U10.15
Net-(R130-Pad1): length 6.8
  Top w0.25: R132.1 52.5,49.79 R130.1 50,52.29 U10.16
Net-(R137-Pad2): length 4.1
  Top w0.25: U20.21 U20.22 252.29,43.08 253.25,44.03 253.25,44.54 R137.2
Net-(R138-Pad1): length 8.3
  Top w0.25: U20.25 250.3,45.03 249,46.32 249,50.04 R138.1
Net-(R139-Pad1): length 2.8
  Top w0.4: U20.2 241.96,46.33 R139.1
Net-(R140-Pad1): length 2.5
  Top w0.4: U20.17 253.29,39.83 R140.1
Net-(R141-Pad1): length 4.5
  Top w0.4: R141.1 253.25,42.79 253.25,41.18 252.55,40.47 U20.18
Net-(R150-Pad1): length 2.9
  Top w0.25: U1.183 114.69,30.65 R150.1

## Copper pours and planes (outline as drawn; the poured copper is in the pictures)
GND on Top: 276.5,93.5 276.5,-0.5 -0.5,-0.5 -0.5,93.5
GND on GND.Cu: 276.5,93.5 276.5,-0.5 -0.5,-0.5 -0.5,93.5

## Text on the board
Dwgs.User: USB SW 2 | Speaker Cable | USB SW 1 | NOSTUFF | DAC
